# Altium PCB SPG300 Rev05.PcbDoc (part 1 of 8) (continued)
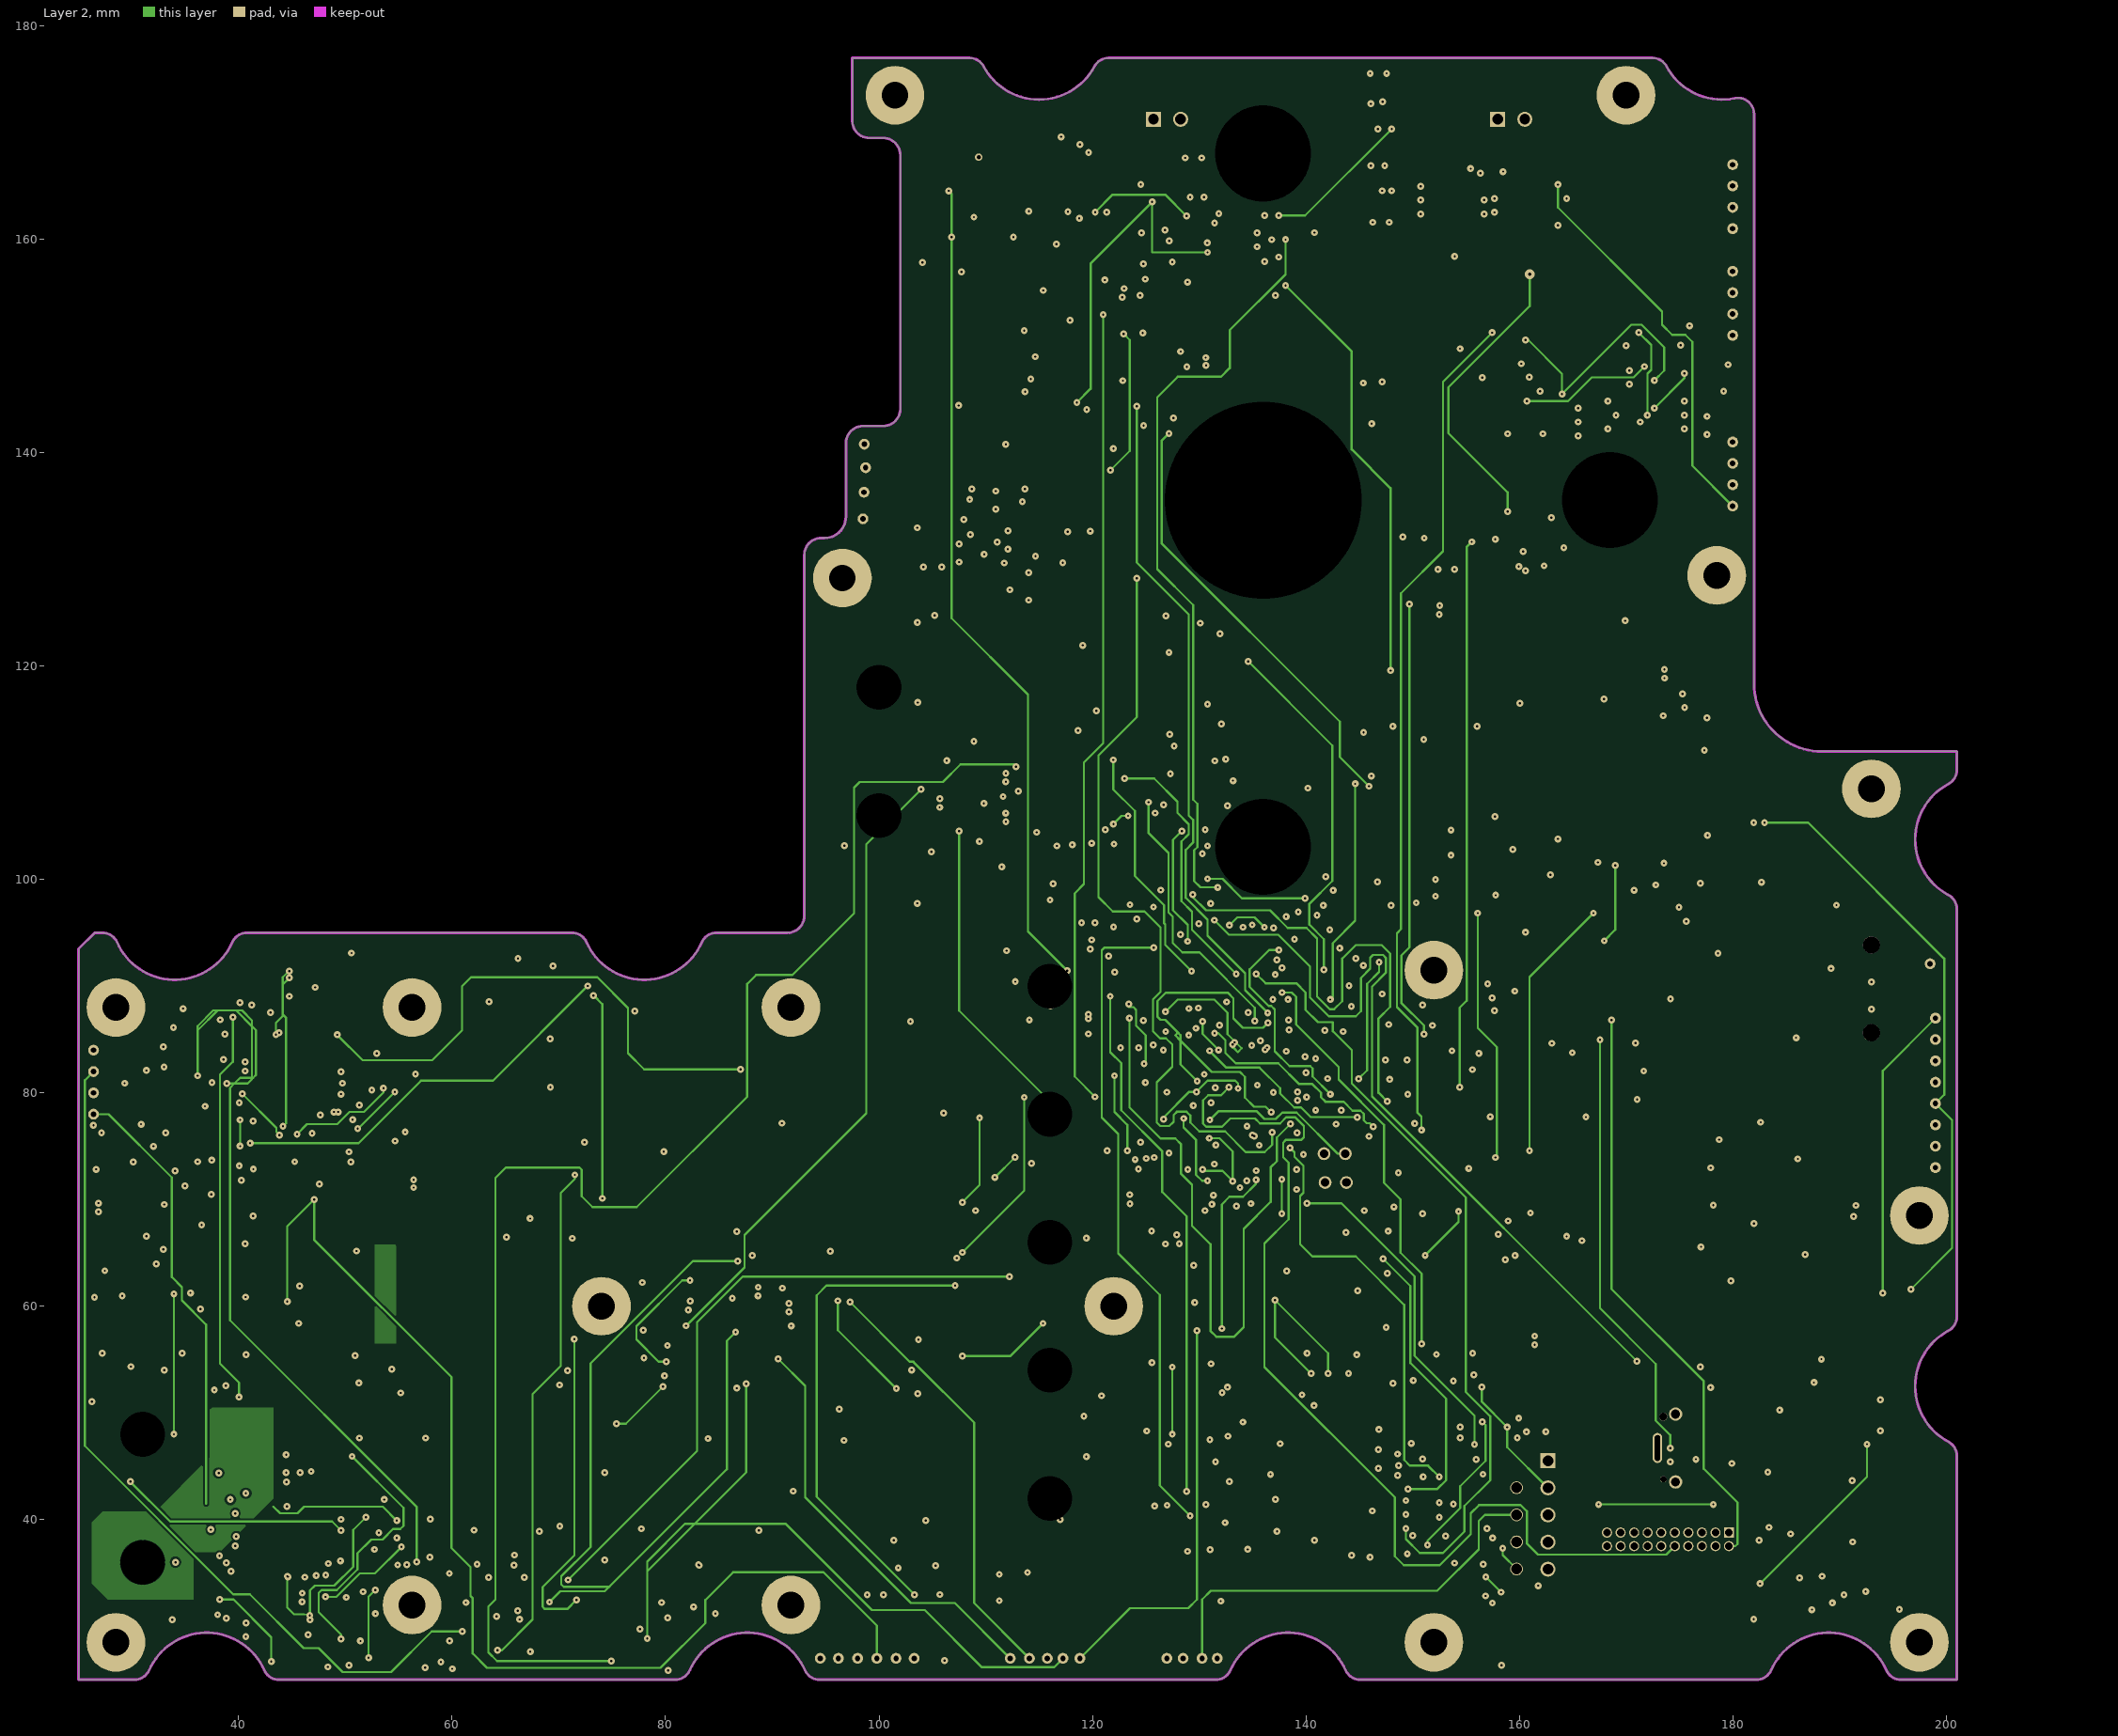
[diagram p4: Layer 2]
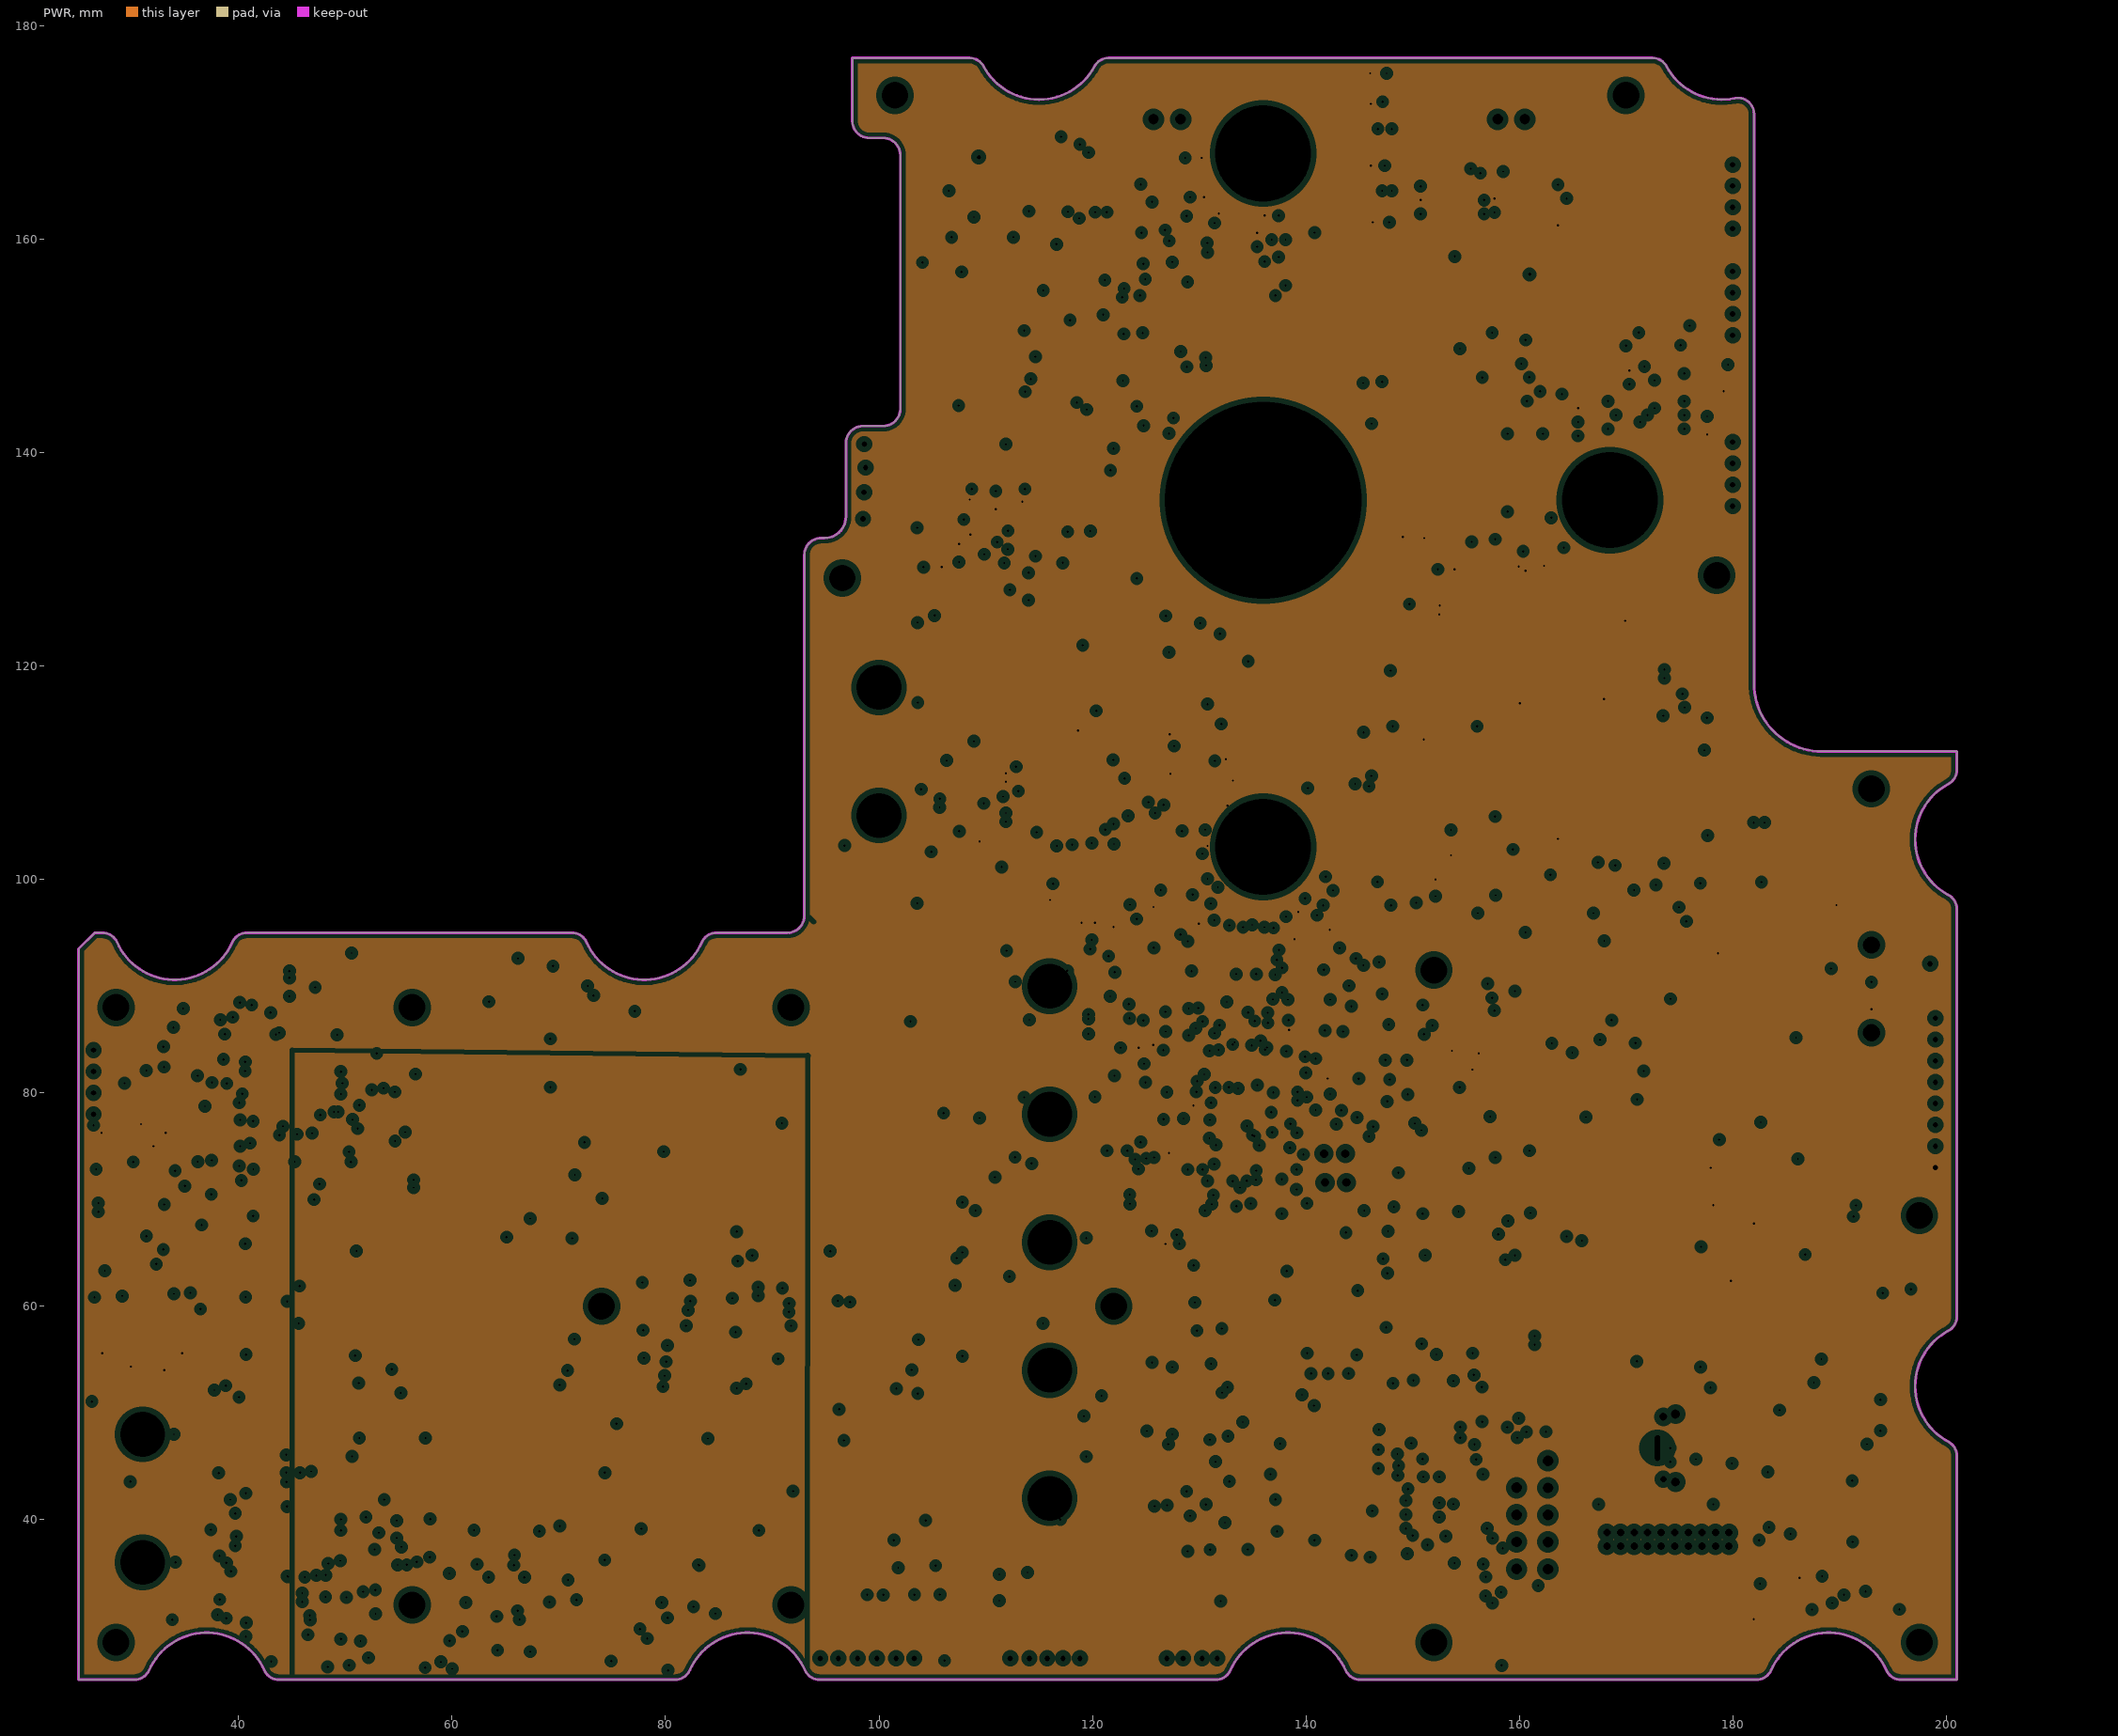
[diagram p5: PWR, clearances drawn from the general rule]
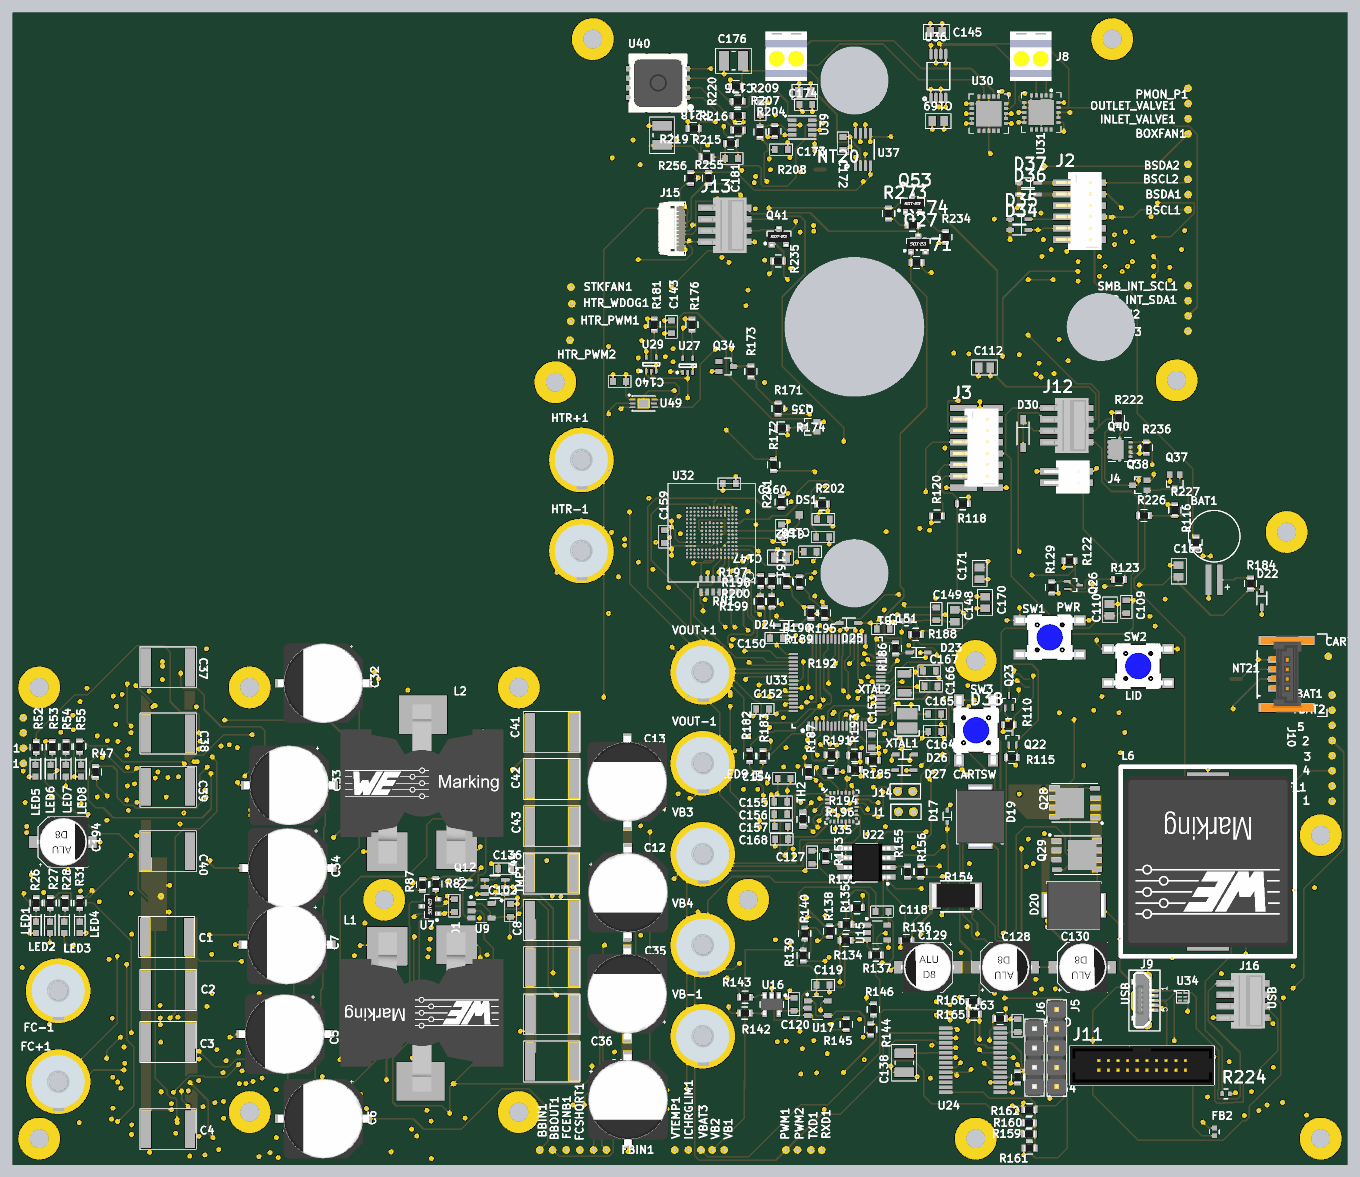
[diagram p13: 3D render of the assembled board from above, using the file's embedded part models]

## Layer stack, top to bottom
Top Solder: solder mask 0.0102, Solder Resist, Dk 3.5
Top Layer: signal copper 0.0356
Dielectric 2: prepreg 0.4759, PP-006, Dk 4.1
Dielectric 4: prepreg 0.0711, PP-006, Dk 4.1
GND: plane copper 0.0356, net (Multiple Nets)
Dielectric 6: prepreg 0.0711, PP-006, Dk 4.1
Layer 1: signal copper 0.035
Dielectric 1: dielectric 0.4759, FR-4, Dk 4.8
Layer 2: signal copper 0.035
Dielectric 7: prepreg 0.0711, PP-006, Dk 4.1
PWR: plane copper 0.0356, net 3V3
Dielectric 5: prepreg 0.0711, PP-006, Dk 4.1
Dielectric 3: prepreg 0.4759, PP-006, Dk 4.1
Bottom Layer: signal copper 0.0356
Bottom Solder: solder mask 0.0102, Solder Resist, Dk 3.5

## Board outline
25,25 30.235,25 ccw(c30.235,26.5) 31.607,25.892 cw(c37,23.5) 42.393,25.892 ccw(c43.765,26.5) 43.765,25 80.905,25 ccw(c80.905,26.5) 82.277,25.892 cw(c87.67,23.5) 93.063,25.892 ccw(c94.435,26.5) 94.435,25 131.569,25 ccw(c131.569,26.5) 132.94,25.892 cw(c138.333,23.5) 143.727,25.892 ccw(c145.098,26.5) 145.098,25 182.235,25 ccw(c182.235,26.5) 183.607,25.892 cw(c189,23.5) 194.393,25.892 ccw(c195.765,26.5) 195.765,25 201,25 201,45.98 ccw(c199.5,45.98) 200.209,47.302 cw(c203,52.5) 200.209,57.698 ccw(c199.5,59.02) 201,59.02 201,97.23 ccw(c199.5,97.23) 200.209,98.552 cw(c203,103.75) 200.209,108.948 ccw(c199.5,110.27) 201,110.27 201,112 188.35,112 cw(c188.35,118.35) 182,118.35 182,171.754 ccw(c180.5,171.754) 180.196,173.222 cw(c179,179) 173.802,176.209 ccw(c172.48,175.5) 172.48,177 121.52,177 ccw(c121.52,175.5) 120.198,176.209 cw(c115,179) 109.802,176.209 ccw(c108.48,175.5) 108.48,177 97.5,177 97.5,171.1 ccw(c99.1,171.1) 99.1,169.5 100.4,169.5 cw(c100.4,167.9) 102,167.9 102,144.1 cw(c100.4,144.1) 100.4,142.5 98.5,142.5 ccw(c98.5,140.9) 96.9,140.9 96.9,134 cw(c94.9,134) 94.9,132 94.6,132 ccw(c94.6,130.4) 93,130.4 93,96.6 cw(c91.4,96.6) 91.4,95 84.765,95 ccw(c84.765,93.5) 83.393,94.108 cw(c78,96.5) 72.607,94.108 ccw(c71.235,93.5) 71.235,95 40.765,95 ccw(c40.765,93.5) 39.393,94.108 cw(c34,96.5) 28.607,94.108 ccw(c27.235,93.5) 27.235,95 26.5,95 25,93.5

## Design rules (kind name [scope] priority, off if disabled: settings)
Clearance [All] p1: gap=0.203 ignorepadtopadclearanceinfootprint=FALSE except(0: SMDPad-Hole THPad-Hole Via-Hole Fill-Hole Poly-Hole Region-Hole Text-Hole)
ComponentClearance "Schematic Component Clearance Constraint_26" [InComponent('NT20')] p1: gap=0 collisioncheckmode=3 verticalgap=0 showdistances=FALSE
ComponentClearance "Schematic Component Clearance Constraint_25" [InComponent('NT13')] p2: gap=0 collisioncheckmode=3 verticalgap=0 showdistances=FALSE
ComponentClearance "Schematic Component Clearance Constraint_24" [InComponent('NT15')] p3: gap=0 collisioncheckmode=3 verticalgap=0 showdistances=FALSE
ComponentClearance "Schematic Component Clearance Constraint_23" [InComponent('NT9')] p4: gap=0 collisioncheckmode=3 verticalgap=0 showdistances=FALSE
ComponentClearance "Schematic Component Clearance Constraint_22" [InComponent('NT22')] p5: gap=0 collisioncheckmode=3 verticalgap=0 showdistances=FALSE
ComponentClearance "Schematic Component Clearance Constraint_21" [InComponent('NT19')] p6: gap=0 collisioncheckmode=3 verticalgap=0 showdistances=FALSE
ComponentClearance "Schematic Component Clearance Constraint_20" [InComponent('NT26')] p7: gap=0 collisioncheckmode=3 verticalgap=0 showdistances=FALSE
ComponentClearance "Schematic Component Clearance Constraint_19" [InComponent('NT25')] p8: gap=0 collisioncheckmode=3 verticalgap=0 showdistances=FALSE
ComponentClearance "Schematic Component Clearance Constraint_18" [InComponent('NT10')] p9: gap=0 collisioncheckmode=3 verticalgap=0 showdistances=FALSE
ComponentClearance "Schematic Component Clearance Constraint_17" [InComponent('NT21')] p10: gap=0 collisioncheckmode=3 verticalgap=0 showdistances=FALSE
ComponentClearance "Schematic Component Clearance Constraint_16" [InComponent('NT16')] p11: gap=0 collisioncheckmode=3 verticalgap=0 showdistances=FALSE
ComponentClearance "Schematic Component Clearance Constraint_15" [InComponent('NT14')] p12: gap=0 collisioncheckmode=3 verticalgap=0 showdistances=FALSE
ComponentClearance "Schematic Component Clearance Constraint_14" [InComponent('NT11')] p13: gap=0 collisioncheckmode=3 verticalgap=0 showdistances=FALSE
ComponentClearance "Schematic Component Clearance Constraint_13" [InComponent('NT17')] p14: gap=0 collisioncheckmode=3 verticalgap=0 showdistances=FALSE
ComponentClearance "Schematic Component Clearance Constraint_12" [InComponent('NT27')] p15: gap=0 collisioncheckmode=3 verticalgap=0 showdistances=FALSE
ComponentClearance "Schematic Component Clearance Constraint_11" [InComponent('NT18')] p16: gap=0 collisioncheckmode=3 verticalgap=0 showdistances=FALSE
ComponentClearance "Schematic Component Clearance Constraint_10" [InComponent('NT23')] p17: gap=0 collisioncheckmode=3 verticalgap=0 showdistances=FALSE
ComponentClearance "Schematic Component Clearance Constraint_9" [InComponent('NT12')] p18: gap=0 collisioncheckmode=3 verticalgap=0 showdistances=FALSE
ComponentClearance "Schematic Component Clearance Constraint_8" [InComponent('NT24')] p19: gap=0 collisioncheckmode=3 verticalgap=0 showdistances=FALSE
ComponentClearance "Schematic Component Clearance Constraint_7" [InComponent('NT8')] p20: gap=0 collisioncheckmode=3 verticalgap=0 showdistances=FALSE
ComponentClearance "Schematic Component Clearance Constraint_6" [InComponent('NT7')] p21: gap=0 collisioncheckmode=3 verticalgap=0 showdistances=FALSE
ComponentClearance "Schematic Component Clearance Constraint_5" [InComponent('NT6')] p22: gap=0 collisioncheckmode=3 verticalgap=0 showdistances=FALSE
ComponentClearance "Schematic Component Clearance Constraint_4" [InComponent('NT2')] p23: gap=0 collisioncheckmode=3 verticalgap=0 showdistances=FALSE
ComponentClearance "Schematic Component Clearance Constraint_3" [InComponent('NT1')] p24: gap=0 collisioncheckmode=3 verticalgap=0 showdistances=FALSE
ComponentClearance "Schematic Component Clearance Constraint_2" [InComponent('NT3')] p25: gap=0 collisioncheckmode=3 verticalgap=0 showdistances=FALSE
ComponentClearance "Schematic Component Clearance Constraint_1" [InComponent('NT5')] p26: gap=0 collisioncheckmode=3 verticalgap=0 showdistances=FALSE
ComponentClearance "Schematic Component Clearance Constraint" [InComponent('NT4')] p27: gap=0 collisioncheckmode=3 verticalgap=0 showdistances=FALSE
ComponentClearance [All] p28: gap=0.254 collisioncheckmode=3 verticalgap=0.254 showdistances=FALSE
PlaneClearance [All] p1: clearance=0.508
PlaneConnect [All] p1: planeconnectstyle=Direct reliefexpansion=0.508 reliefentries=4 reliefconductorwidth=0.254 reliefairgap=0.254
PolygonConnect [All vs InNet('3V3')] p1: connectstyle=Direct reliefconductorwidth=0.254 reliefentries=4 polygonreliefangle="90 Angle" airgapwidth=0.254
RoutingTopology RoutingTopology_2 [InNet('DGND')] p1: topology=Starburst
RoutingTopology RoutingTopology_1 [InNet('GND')] p2: topology=Starburst
RoutingTopology [All] p3: topology=Shortest
RoutingVias [All] p1: holewidth=0.203 width=0.65 viastyle="Through Hole" minholewidth=0.203 minwidth=0.203 maxholewidth=0.711 maxwidth=1.27
SolderMaskExpansion [All] p1: expansion=0.102 istentingtop=FALSE
Width [All] p1: maxlimit=5 minlimit=0.152 preferedwidth=0.203
26 further rules are at their usual default settings.

## Classes and differential pairs
component class "Sh3 500W DC-DC": C32 C33 C34 C35 C36 C37 C38 C39 C40 C41 C42 C43 C44 C45 C46 C47 C48 C49 C50 C51 C52 C53 C54 C55 C56 C57 C58 C59 C60 C61 C62 CLK1 D7 D8 D9 D10 D11 D12 L2 LED5 LED6 LED7 LED8 NT7 NT8 NT9 NT10 NT11 NT12 Q6 Q7 Q8 Q9 Q10 R34 R35 R36 R37 R38 R39 R40 R41 R42 R43 R44 R45 R46 R47 R48 R49 R50 R51 R52 R53 R54 R55 R56 R57 R58 R59 SIADJ1 U2
component class "Sh2 500W DC-DC": BBFBK1 BBIN1 BBOUT1 C1 C2 C3 C4 C5 C6 C7 C8 C9 C10 C11 C12 C13 C14 C15 C16 C17 C18 C19 C20 C21 C22 C23 C24 C25 C26 C27 C28 C29 C30 C31 D1 D2 D3 D4 D5 D6 L1 LED1 LED2 LED3 LED4 MIADJ1 NT1 NT2 NT3 NT4 NT5 NT6 Q1 Q2 Q3 Q4 Q5 R1 R2 R3 R4 R5 R6 R7 R8 R9 R10 R11 R12 R13 R14 R15 R16 R17 R18 R19 R20 R21 R22 R23 R24 R25 R26 R27 R28 R29 R30 R31 R32 R33 U1
component class "Sh13 Cart Heater Control": C139 C140 C141 C142 C143 C144 C145 D21 HTR+1 HTR-1 HTR_PWM1 HTR_PWM2 HTR_WDOG1 J7 J8 NT18 NT19 NT20 Q30 Q31 Q32 Q33 Q34 Q35 R167 R168 R169 R170 R171 R172 R173 R174 R175 R176 R177 R178 R179 R180 R181 U25 U26 U27 U29 U30 U31 U49
component class "Sh12 Peripheral Control": BOXFAN1 C172 C173 C174 C175 C176 C177 C178 C179 C180 C181 C182 C183 C184 CARTSW D28 D29 D30 INLET_VALVE1 J12 J13 NT22 NT23 OUTLET_VALVE1 PMON_P1 Q27 Q36 Q37 Q38 Q39 Q40 Q41 Q53 R203 R204 R205 R206 R207 R208 R209 R210 R211 R212 R213 R214 R215 R216 R217 R218 R219 R220 R221 R222 R223 R224 R225 R226 R227 R228 R229 R230 R231 R232 R233 R234 R235 R236 R270 R271 R273 R274 STKFAN1 SW3 U37 U38 U39 U40 U41
component class "Sh11 Ardica Control and CPU": BAT1 C146 C147 C148 C149 C150 C151 C152 C153 C154 C155 C156 C157 C158 C159 C160 C161 C162 C163 C164 C165 C166 C167 C168 C169 C170 C171 D22 D23 D24 D25 D26 D27 DS1 FB1 FB2 I2 I3 J9 J10 J11 J16 LED9 NT21 R182 R183 R184 R185 R186 R187 R188 R189 R190 R191 R192 R193 R194 R195 R196 R197 R198 R199 R200 R201 R202 R267 R268 RN1 SMB_INT_SCL1 SMB_INT_SDA1 TH2 U32 U33 U34 U35 U36 XTAL1 XTAL2
component class "Sh10 Cell Balancer and CPU Control": C131 C132 C133 C134 C135 C136 C137 C138 J5 J6 R157 R158 R159 R160 R161 R162 R163 R164 R165 R166 RXD1 TMP1 TXD1 U23 U24
component class "Sh9 Battery Cell Balancer": C121 C122 C123 C124 C125 C126 C127 C128 C129 C130 D19 D20 L6 NT16 NT17 PWM1 PWM2 Q28 Q29 R147 R148 R149 R150 R151 R152 R153 R154 R155 R156 U18 U19 U20 U21 U22
component class "Sh8 Battery Interface (Analog)": C118 C119 C120 NT14 NT15 R133 R134 R135 R136 R137 R138 R139 R140 R141 R142 R143 R144 R145 R146 U15 U16 U17 VBAT3
component class "Sh7 Battery  & Power Switches": BSCL1 BSCL2 BSDA1 BSDA2 C108 C109 C110 C111 C112 C113 C114 C115 C116 C117 D15 D16 D17 D18 D34 D35 D36 D37 D38 D39 J1 J2 J3 J4 Q17 Q18 Q19 Q20 Q21 Q22 Q23 Q24 Q25 Q26 R109 R110 R111 R112 R113 R114 R115 R116 R117 R118 R119 R120 R121 R122 R123 R124 R125 R126 R127 R128 R129 R130 R131 R132 R269 SW1 SW2 U13 U14 VB3 VB4 VB-1 VBAT1 VBAT2
component class "Sh6 Discharge eFuse": C185 C186 C187 C188 C189 C190 C191 C192 C193 C194 C195 D31 D32 D33 FC+1 FC-1 FCENB1 FCSHORT1 J14 J15 NT24 NT25 NT26 NT27 Q42 Q43 Q44 Q45 Q46 Q47 Q48 Q49 Q50 Q51 Q52 R237 R238 R239 R240 R241 R242 R243 R244 R245 R246 R247 R248 R249 R250 R251 R252 R253 R254 R255 R256 R257 R258 R259 R260 R261 R262 R263 R264 R265 R266 R272 TZ1 U42 U43 U44 U45 U46 U47 U48 VOUT+1 VOUT-1
component class "Sh5 BB Feedback": C100 C101 C102 C103 C104 C105 C106 C107 D13 D14 FBIN1 FBOUT1 ICHRGLIM1 NT13 Q12 Q13 Q14 Q15 Q16 R79 R80 R81 R82 R83 R84 R85 R86 R87 R88 R89 R90 R91 R92 R93 R94 R95 R96 R97 R98 R99 R100 R101 R102 R103 R104 R105 R106 R107 R108 TEMPLIM1 TH1 U7 U8 U9 U10 U11 U12 VB1 VB2 VTEMP1
component class "Sh4 Local Supplies": 1 2 3 4 5 C63 C64 C65 C66 C67 C68 C69 C70 C71 C72 C73 C74 C75 C76 C77 C78 C79 C80 C81 C82 C83 C84 C85 C86 C87 C88 C89 C90 C91 C92 C93 C94 C95 C96 C97 C98 C99 I1 L3 L4 L5 Q11 R60 R61 R62 R63 R64 R65 R66 R67 R68 R69 R70 R71 R72 R73 R74 R75 R76 R77 R78 REF_1 U3 U4 U5 U6 VR1 VR2

## Components (designator, comment, footprint, x,y, rotation, side; value= is the part's Value field where it differs from the comment)
1 "Test Point" "Test Point 1mm"#1 198.739,72.45 r90 top
2 "Test Point" "Test Point 1mm"#2 198.869,79.346 r90 top
3 "Test Point" "Test Point 1mm"#3 199,75 r90 top
4 "Test Point" "Test Point 1mm"#4 198.649,76.949 r90 top
5 "Test Point" "Test Point 1mm"#5 198.869,81.524 r90 top
BAT1 "Battery" "FDK ML621 Battery" 183.449,107.95 r0 top value=ML621-TZ1
BBFBK1 "Test Point" "Test Point 1mm"#6 44.7,93.6 r90 top
BBIN1 "Test Point" "Test Point 1mm"#7 94.5,27 r90 top
BBOUT1 "Test Point" "Test Point 1mm"#7 96.2,27 r90 top
BOXFAN1 "Test Point" "Test Point 1mm"#8 180,161.4 r90 top
BSCL1 "Test Point" "Test Point 1mm"#9 180.699,151.9 r90 top
BSCL2 "Test Point" "Test Point 1mm"#10 180.699,157.7 r90 top
BSDA1 "Test Point" "Test Point 1mm"#11 180.699,154 r90 top
BSDA2 "Test Point" "Test Point 1mm"#12 180.8,161.1 r90 top
C1 "CAP SMD 2220" "CAPC 2220 (5750 Metric)" 45.325,55.1 r180 top value=10uF
C2 "CAP SMD 2220" "CAPC 2220 (5750 Metric)" 45.5,48.1 r180 top value=10uF
C3 "CAP SMD 2220" "CAPC 2220 (5750 Metric)" 45.5,41.242 r180 top value=10uF
C4 "CAP SMD 2220" "CAPC 2220 (5750 Metric)" 45.5,29.735 r180 top value=10uF
C5 "CAP AE 10x10mm" "CAPAE CASE 10.2mm x 10.5mm" 60.902,42.289 r270 top value=100uF
C6 "CAP AE 10x10mm" "CAPAE CASE 10.2mm x 10.5mm" 66,31.137 r270 top value=100uF
C7 "CAP AE 10x10mm" "CAPAE CASE 10.2mm x 10.5mm" 61.2,54.089 r270 top value=100uF
C8 "CAP SMD 2220" "CAPC 2220 (5750 Metric)" 96.1,57.327 r0 top value=10uF
C9 "CAP SMD 2220" "CAPC 2220 (5750 Metric)" 96.1,51.105 r0 top value=10uF
C10 "CAP SMD 2220" "CAPC 2220 (5750 Metric)" 96.1,44.883 r0 top value=10uF
C11 "CAP SMD 2220" "CAPC 2220 (5750 Metric)" 96.1,38.661 r0 top value=10uF
C12 "CAP AE 10x10mm" "CAPAE CASE 10.2mm x 10.5mm" 106.149,60.975 r0 top value=100uF
C13 "CAP AE 10x10mm" "CAPAE CASE 10.2mm x 10.5mm" 106.051,75.55 r180 top value=100uF
C14 "CAP SMD 0805  H=0.85mm" "CAPC 0805 (2012 Metric)_H0.85" 42.466,43.531 r180 bottom value=0.22uF
C15 "CAP SMD 0603 h=0.8mm" "CAPC 0603 (1608 Metric) H0.8L" 57.099,39.134 r0 bottom value=1nF
C16 "CAP SMD 0805  H=0.85mm" "CAPC 0805 (2012 Metric)_H0.85" 37.524,37.875 r0 bottom value=0.22uF
C17 "CAP SMD 0603 h=0.8mm" "CAPC 0603 (1608 Metric) H0.8L" 48.15,30.125 r270 bottom value=1nF
C18 "CAP SMD 0603 h=0.8mm" "CAPC 0603 (1608 Metric) H0.8L" 59.62,38.435 r90 bottom value=10pF
C19 "CAP SMD 0603 h=0.8mm" "CAPC 0603 (1608 Metric) H0.8L" 44.875,28.226 r180 bottom value=0.1uF
C20 "CAP SMD 0805 H=1.25mm" "CAPC 0805 (2012 Metric)_H1.25" 44.876,26.5 r180 bottom value=1uF
C21 "CAP SMD 0603 h=0.8mm" "CAPC 0603 (1608 Metric) H0.8L" 44.799,31.101 r0 bottom value=10pF
C22 "CAP SMD 0603 h=0.8mm" "CAPC 0603 (1608 Metric) H0.8L" 53.973,36.6 r270 bottom value=10pF
C23 "CAP SMD 0805 H=1.25mm" "CAPC 0805 (2012 Metric)_H1.25" 34.875,31.4 r270 bottom value=4.7uF
C24 "CAP SMD 0805 H=1.25mm" "CAPC 0805 (2012 Metric)_H1.25" 36.925,31.45 r270 bottom value=4.7uF
C25 "CAP SMD 0805 H=1.25mm" "CAPC 0805 (2012 Metric)_H1.25" 45.251,42.425 r180 bottom value=4.7uF
C26 "CAP SMD 0603 h=0.8mm" "CAPC 0603 (1608 Metric) H0.8L" 60.864,26.951 r180 bottom value=10nF
C27 "CAP SMD 0805 H=1.25mm" "CAPC 0805 (2012 Metric)_H1.25" 51.624,38.4 r90 bottom value=4.7uF
C28 "CAP SMD 0603 h=0.8mm" "CAPC 0603 (1608 Metric) H0.8L" 47.05,32.85 r270 bottom value=10nF
C29 "CAP SMD 0805 H=1.25mm" "CAPC 0805 (2012 Metric)_H1.25" 37.75,34.775 r90 bottom value=1uF
C30 "CAP SMD 0603 h=0.8mm" "CAPC 0603 (1608 Metric) H0.8L" 41.599,30.301 r270 bottom value=15nF
C31 "CAP SMD 0603 h=0.8mm" "CAPC 0603 (1608 Metric) H0.8L" 43.55,33.1 r270 bottom value=220pF
C32 "CAP AE 10x10mm" "CAPAE CASE 10.2mm x 10.5mm" 66,88.55 r270 top value=100uF
C33 "CAP AE 10x10mm" "CAPAE CASE 10.2mm x 10.5mm" 61.5,75.082 r270 top value=100uF
C34 "CAP AE 10x10mm" "CAPAE CASE 10.2mm x 10.5mm" 61.3,64.187 r270 top value=100uF
C35 "CAP AE 10x10mm" "CAPAE CASE 10.2mm x 10.5mm" 106.039,47.573 r180 top value=100uF
C36 "CAP AE 10x10mm" "CAPAE CASE 10.2mm x 10.5mm" 106.148,33.646 r0 top value=100uF
C37 "CAP SMD 2220" "CAPC 2220 (5750 Metric)" 45.5,90.65 r180 top value=10uF
C38 "CAP SMD 2220" "CAPC 2220 (5750 Metric)" 45.5,81.924 r180 top value=10uF
C39 "CAP SMD 2220" "CAPC 2220 (5750 Metric)" 45.5,74.9 r180 top value=10uF
C40 "CAP SMD 2220" "CAPC 2220 (5750 Metric)" 45.5,66.4 r180 top value=10uF